# Altium PCB TI82_matlab.PcbDoc
Units mm, origin at the board's own origin, x right, y up, seen from the top; angles counter-clockwise.
Board outline 72 x 113.2 mm, 2 copper layers (Top Layer, Bottom Layer); 96 components, 67 nets, 297 pads, 63 vias.
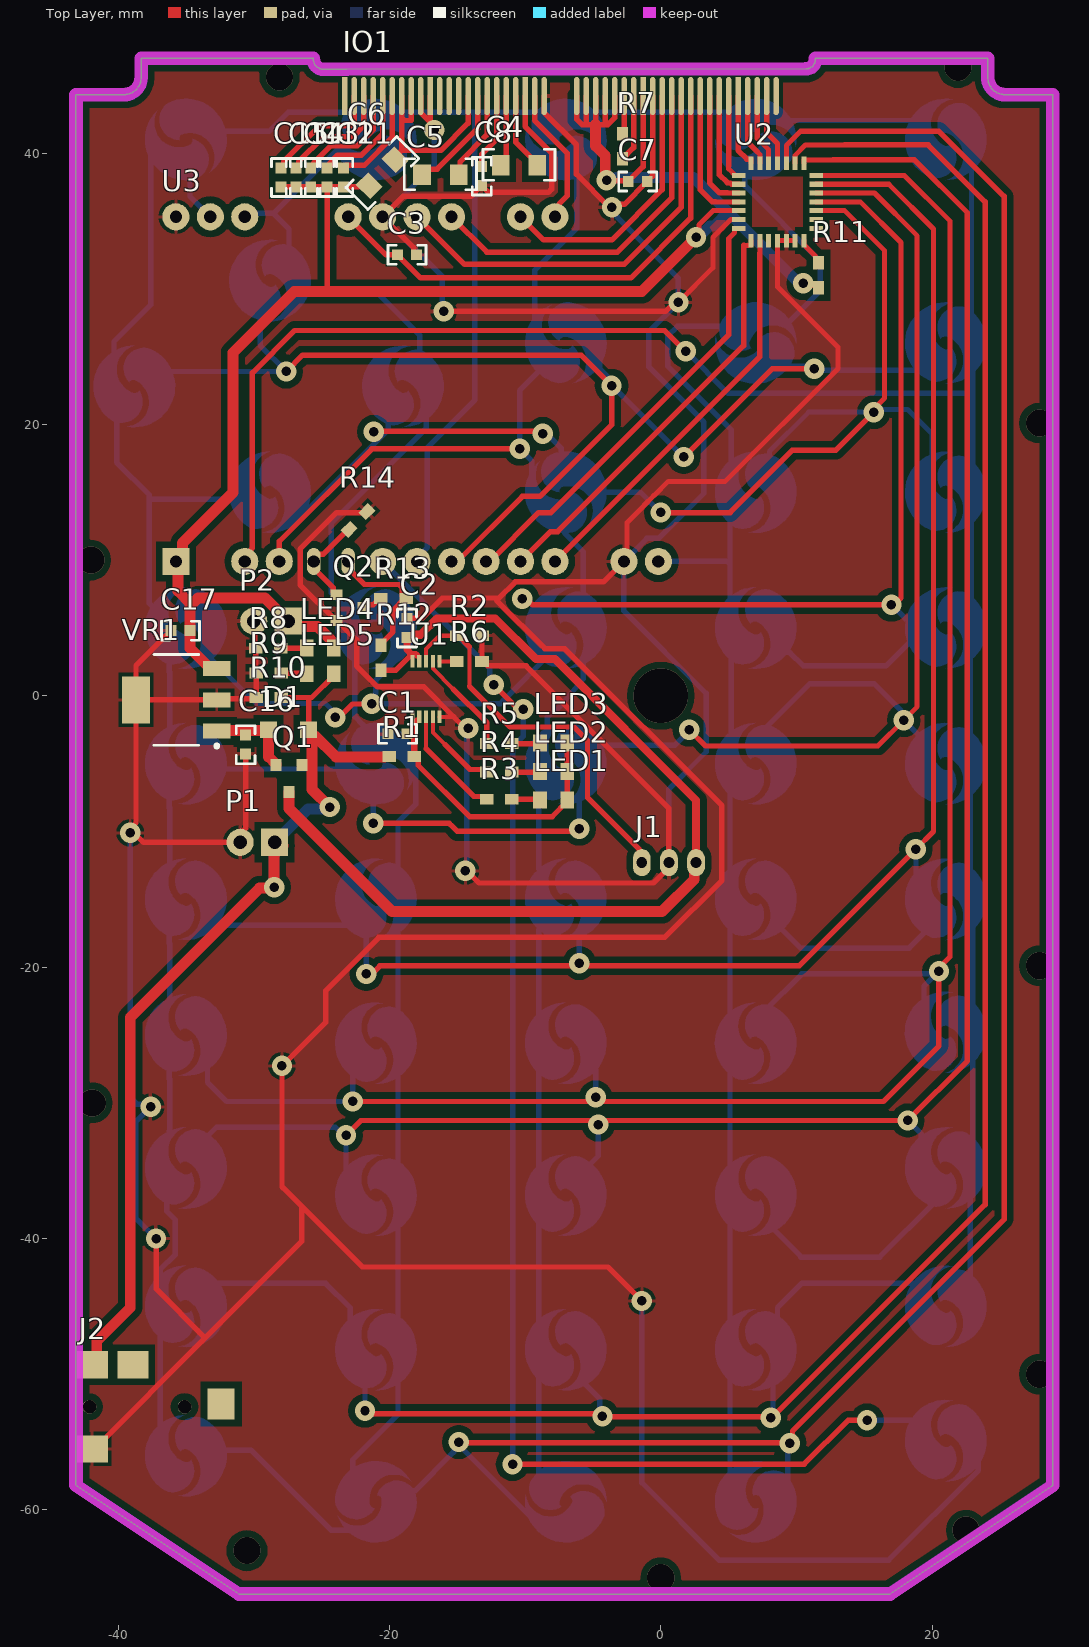
[diagram p0: Top Layer view]
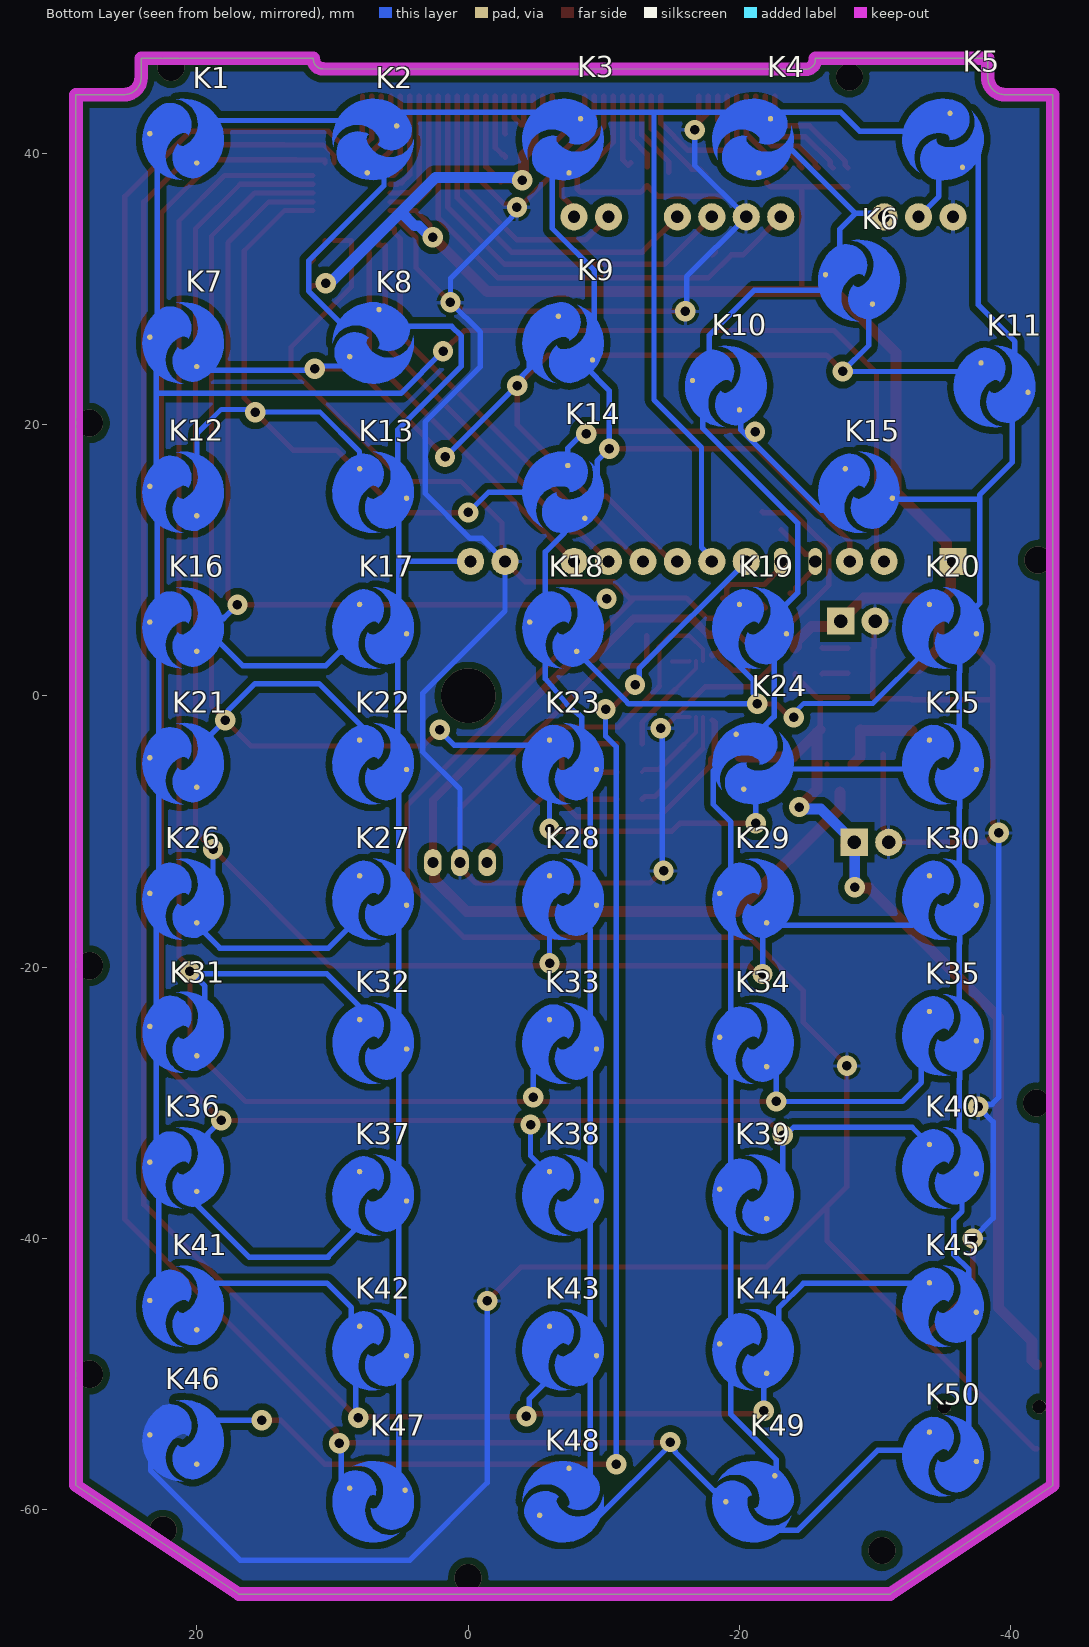
[diagram p1: Bottom Layer view, seen from below]
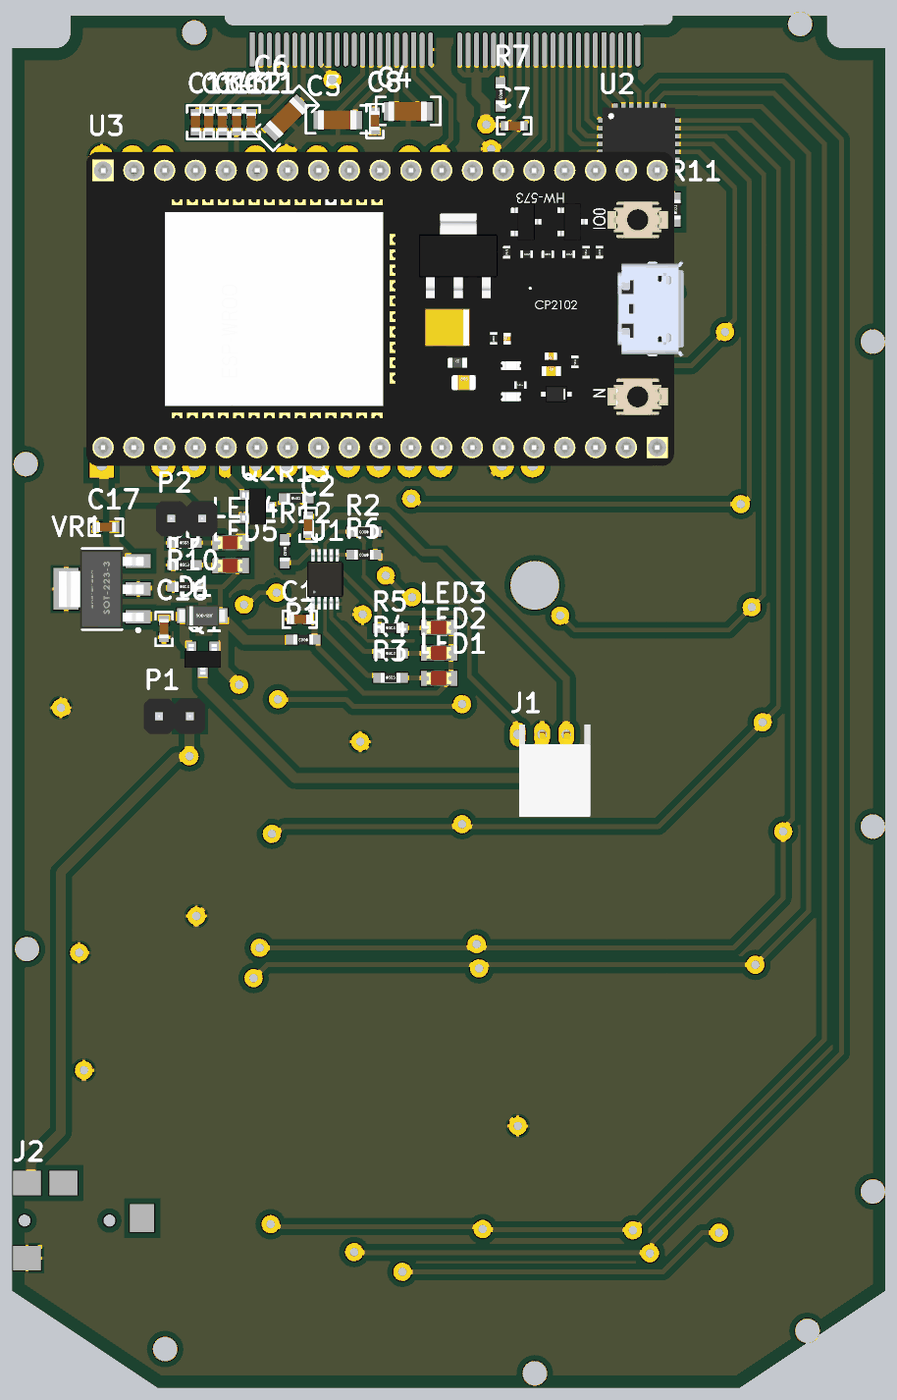
[diagram p2: 3D render of the assembled board from above, using the file's embedded part models]

## Layer stack, top to bottom
Top Solder: solder mask 0.0102, Solder Resist, Dk 3.5
Top Layer: signal copper 0.0356
Dielectric 1: dielectric 0.32, FR-4, Dk 4.8
Bottom Layer: signal copper 0.0356
Bottom Solder: solder mask 0.0102, Solder Resist, Dk 3.5

## Board outline
-43.1,44.3 -39.57,44.3 ccw(c-39.57,45.57) -38.3,45.57 -38.3,47 -25.6,47 -25.6,46.899 ccw(c-24.878,46.899) -24.878,46.177 -23.1,46.175 10.7,46.2 ccw(c10.7,46.9) 11.4,46.9 11.4,47 24.1,47 24.1,45.57 ccw(c25.37,45.57) 25.37,44.3 28.9,44.3 28.9,-58.2 16.9,-66.2 -31.1,-66.2 -43.1,-58.2

## Design rules (kind name [scope] priority, off if disabled: settings)
Clearance Clearance_mcp [WithinRoom('mcp_room')] p1: gap=0.3 ignorepadtopadclearanceinfootprint=FALSE except(0.15: Arc-Arc Arc-Track Arc-SMDPad Track-Track Track-SMDPad SMDPad-SMDPad)
Clearance Clearence_display [WithinRoom('pad_room')] p2: gap=0.3 ignorepadtopadclearanceinfootprint=FALSE except(0: Arc-Arc Arc-Track Arc-SMDPad Track-Track Track-SMDPad)
Clearance [All] p3: gap=0.3 ignorepadtopadclearanceinfootprint=FALSE except(0.2: Arc-SMDPad Track-SMDPad SMDPad-SMDPad; 0.28: Arc-Arc Arc-Track Track-Track; 0.5: Arc-Fill Arc-Poly Arc-Region Track-Fill Track-Poly Track-Region SMDPad-Fill SMDPad-Poly SMDPad-Region THPad-Fill THPad-Poly THPad-Region Via-Fill Via-Poly Via-Region Fill-Fill Fill-Poly Fill-Region Poly-Poly Poly-Region Region-Region)
ComponentClearance [All] p1 off: gap=0.254 collisioncheckmode=3 verticalgap=0.254 showdistances=FALSE
DiffPairsRouting [All] p1: maxlimit=0.3 minlimit=0.3 mostfreqgap=0.3 toplayer_minwidth=0.4 toplayer_maxwidth=0.4 toplayer_prefwidth=0.4 bottomlayer_minwidth=0.4 bottomlayer_maxwidth=0.4 bottomlayer_prefwidth=0.4 maxuncoupledlength=12.7
HoleSize [All] p1: absolutevalues=TRUE maxlimit=4 minlimit=0.025 maxpercent=80.000 minpercent=20.000
MinimumSolderMaskSliver [All] p1 off: minsoldermaskwidth=0.254
PolygonConnect [All] p1: connectstyle=Relief reliefconductorwidth=0.254 reliefentries=4 polygonreliefangle="90 Angle" airgapwidth=0.254
RoomDefinition mcp_room [False vs False] p1: confinementstyle=ConfineIn formatcopy=TRUE lockcomponents=FALSE outline -15.3,-3.6 -19.4,-3.6 -19.4,3.5 -15.3,3.5
RoomDefinition pad_room [False] p2: confinementstyle=ConfineIn formatcopy=TRUE lockcomponents=FALSE outline -24.3,43 -24.3,46 10,46 10,43
RoutingVias [All] p1: holewidth=0.7 width=1.5 viastyle="Through Hole" minholewidth=0.7 minwidth=1.5 maxholewidth=4 maxwidth=4
SilkToSilkClearance [All] p1 off: silktosilkclearance=0.254
SilkToSolderMaskClearance [IsPad] p1 off: minsilkscreentomaskgap=0.254 clearancetoexposedcopper=TRUE
SolderMaskExpansion [All] p1: expansion=0.102 istentingtop=FALSE
Width [All] p1: maxlimit=1 minlimit=0.3 preferedwidth=0.5
24 further rules are at their usual default settings.

## Classes and differential pairs
net class DB[0..7]: DB0 DB1 DB2 DB3 DB4 DB5 DB6 DB7

## Components (designator, comment, footprint, x,y, rotation, side; value= is the part's Value field where it differs from the comment)
C1 "0603, capacitor" "0603 cap" -19.4,-2.8 r180 top value=1uF
C2 "0603, capacitor" "0603 cap" -18.7,5 r90 top value=1uF
C3 "0603, capacitor" "0603 cap" -18.7,32.5 r0 top value=0.2nF
C4 "Cap, bipolar" "CAP 1206 BIPOLAR" -10.5,39.1 r0 top
C5 "Cap, bipolar" "CAP 1206 BIPOLAR" -16.3,38.4 r0 top
C6 "Cap, bipolar" "CAP 1206 BIPOLAR" -20.51,38.59 r225 top
C7 "0603, capacitor" "0603 cap" -1.7,37.9 r180 top value=2.2uF
C8 "0603, capacitor" "0603 cap" -13.2,38.3 r270 top value=10nF
C11 "0603, capacitor" "0603 cap" -23.4,38.2 r270 top value=0.1uF
C12 "0603, capacitor" "0603 cap" -24.6,38.2 r270 top value=0.1uF
C13 "0603, capacitor" "0603 cap" -25.8,38.2 r270 top value=0.1uF
C14 "0603, capacitor" "0603 cap" -26.9,38.2 r270 top value=0.1uF
C15 "0603, capacitor" "0603 cap" -28,38.2 r270 top value=0.1uF
C16 "0603, capacitor" "0603 cap" -30.6,-3.6 r270 top value=10uF
C17 "0603, capacitor" "0603 cap" -35.4,4.802 r180 top value=10uF
D1 "MBR120" SOD-123 -27.4,-2.5 r0 top value="Schottky Diod"
IO1 "Display IO*" "Display IO 44" -23.3,44.2 r0 top
J1 "Male JST (2mm)" "3P JST Male connector" 0.6,-12.3 r270 top
J2 "Headphone Jack 4-poles" "Headphone Jack 4-poles" -43.6,-52.4 r0 top
K1 "Button Pad" "BUTTON PAD 2" 21,41 r0 bottom
K2 "Button Pad" "BUTTON PAD 2" 7,41 r270 bottom
K3 "Button Pad" "BUTTON PAD 2" -7,41 r250 bottom
K4 "Button Pad" "BUTTON PAD 2" -21,41 r250 bottom
K5 "Button Pad" "BUTTON PAD 2" -35,41 r225 bottom
K6 "Button Pad" "BUTTON PAD 2" -28.8,30.6 r0 bottom
K7 "Button Pad" "BUTTON PAD 2" 21,26 r0 bottom
K8 "Button Pad" "BUTTON PAD 2" 7,26 r90 bottom
K9 "Button Pad" "BUTTON PAD 2" -7,26 r200 bottom
K10 "Button Pad" "BUTTON PAD 2" -19,22.8 r0 bottom
K11 "Button Pad" "BUTTON PAD 2" -38.8,22.8 r180 bottom
K12 "Button Pad" "BUTTON PAD 2" 21,15 r0 bottom
K13 "Button Pad" "BUTTON PAD 2" 7,15 r180 bottom
K14 "Button Pad" "BUTTON PAD 2" -7,15 r220 bottom
K15 "Button Pad" "BUTTON PAD 2" -28.806,15 r180 bottom
K16 "Button Pad" "BUTTON PAD 2" 21,5 r0 bottom
K17 "Button Pad" "BUTTON PAD 2" 7,5 r180 bottom
K18 "Button Pad" "BUTTON PAD 2" -7,5 r0 bottom
K19 "Button Pad" "BUTTON PAD 2" -21,5 r180 bottom
K20 "Button Pad" "BUTTON PAD 2" -35,5 r180 bottom
K21 "Button Pad" "BUTTON PAD 2" 21,-5 r0 bottom
K22 "Button Pad" "BUTTON PAD 2" 7,-5 r180 bottom
K23 "Button Pad" "BUTTON PAD 2" -7,-5 r180 bottom
K24 "Button Pad" "BUTTON PAD 2" -21,-5 r50 bottom
K25 "Button Pad" "BUTTON PAD 2" -35,-5 r180 bottom
K26 "Button Pad" "BUTTON PAD 2" 21,-15 r0 bottom
K27 "Button Pad" "BUTTON PAD 2" 7,-15 r180 bottom
K28 "Button Pad" "BUTTON PAD 2" -7,-15 r180 bottom
K29 "Button Pad" "BUTTON PAD 2" -21,-15 r0 bottom
K30 "Button Pad" "BUTTON PAD 2" -35,-15 r180 bottom
K31 "Button Pad" "BUTTON PAD 2" 20.994,-24.8 r0 bottom
K32 "Button Pad" "BUTTON PAD 2" 6.994,-25.6 r180 bottom
K33 "Button Pad" "BUTTON PAD 2" -7,-25.6 r180 bottom
K34 "Button Pad" "BUTTON PAD 2" -21,-25.6 r0 bottom
K35 "Button Pad" "BUTTON PAD 2" -35,-25 r180 bottom
K36 "Button Pad" "BUTTON PAD 2" 21,-34.8 r0 bottom
K37 "Button Pad" "BUTTON PAD 2" 7,-36.8 r180 bottom
K38 "Button Pad" "BUTTON PAD 2" -7,-36.8 r180 bottom
K39 "Button Pad" "BUTTON PAD 2" -21,-36.8 r0 bottom
K40 "Button Pad" "BUTTON PAD 2" -35,-34.8 r180 bottom
K41 "Button Pad" "BUTTON PAD 2" 21,-45 r0 bottom
K42 "Button Pad" "BUTTON PAD 2" 7,-48.2 r180 bottom
K43 "Button Pad" "BUTTON PAD 2" -7,-48.2 r180 bottom
K44 "Button Pad" "BUTTON PAD 2" -21,-48.2 r0 bottom
K45 "Button Pad" "BUTTON PAD 2" -35,-45 r180 bottom
K46 "Button Pad" "BUTTON PAD 2" 21,-54.9 r0 bottom
K47 "Button Pad" "BUTTON PAD 2" 6.994,-59.4 r150 bottom
K48 "Button Pad" "BUTTON PAD 2" -7,-59.4 r90 bottom
K49 "Button Pad" "BUTTON PAD 2" -21,-59.4 r120 bottom
K50 "Button Pad" "BUTTON PAD 2" -35,-56 r180 bottom
LED1 "0805, LED" 0805_led -7.9,-7.7 r0 top value="0805 LED"
LED2 "0805, LED" 0805_led -7.9,-5.6 r0 top value="0805 LED"
LED3 "0805, LED" 0805_led -7.9,-3.5 r0 top value="0805 LED"
LED4 "0805, LED" 0805_led -25.1,3.5 r0 top value="0805 LED"
LED5 "0805, LED" 0805_led -25.1,1.6 r0 top value="0805 LED"
P1 "1x2 Pin Header" padtwo_L -28.46,-10.8 r270 top
P2 "1x2 Pin Header" padtwo_L -27.46,5.5 r270 top
Q1 "DMG3415U" SOT23 -27.4,-6.1 r180 top value="pMOSFET Enhancement"
Q2 "BSS138" SOT23 -22.9,6.5 r270 top
R1 "0603, resistor" 0603 -19.1,-4.5 r180 top value=0R
R2 "0603, resistor" 0603 -14.1,4.4 r180 top value=10k
R3 "0603, resistor" 0603 -11.9,-7.6 r0 top value=20k
R4 "0603, resistor" 0603 -11.9,-5.6 r0 top value=20k
R5 "0603, resistor" 0603 -11.9,-3.5 r0 top value=20k
R6 "0603, resistor" 0603 -14.1,2.5 r180 top value=2k7
R7 "0603, resistor" 0603 -2.8,40.5 r270 top value=70k
R8 "0603, resistor" 0603 -28.925,3.525 r0 top value=20k
R9 "0603, resistor" 0603 -28.9,1.7 r0 top value=20k
R10 "0603, resistor" 0603 -28.9,-0.1 r0 top value=100k
R11 "0603, resistor" 0603 11.6,31 r90 top value=1k?
R12 "0603, resistor" 0603 -20.6,2.8 r270 top value=1k?
R13 "0603, resistor" 0603 -19.7,7.2 r0 top value=1k?
R14 "0603, resistor" 0603 -22.3,12.9 r225 top value=10k
U1 "MCP73833/4" MSOP-10 -17.3,0.5 r90 top value="Battery Charger"
U2 "MCP23S17-ML" "QFN28 0.65 Pitch" 8.6,36.4 r0 top
U3 "ESP32_DevKitC_V4" "CUSTOM_ESP32_DevKitC_V4 - duplicate" -15.52,22.5 r90 top
VR1 "3.3V Reg" SOT223 -35.7,-0.3 r180 top

## Footprints (in the part's own frame and the unit in brackets; to place one, negate y for a bottom-side part, rotate by r counter-clockwise, add the part's x,y. Pads: shape width x height; smd on the part's side, far side on the other; paste and mask are expansions set on the pad)
"3P JST Male connector" [mm] "PCB HEADER (RIGHT ANGLE)"
  oval 2x1.3 hole 0.8: 1(0,2) 2(0,0) 3(0,-2)
  body extent -0.8,-1.9 6.8,4, height 4.9
0603 [mm]
  rect 1x0.8 smd: 0(0.925,-0.025) 1(-0.925,-0.025)
  body extent -0.8,-0.43 0.8,0.39, height 0.45
"0603 cap" [mm]
  rect 0.8x0.8 smd: 0(0.7,0.002) 1(-0.7,0.002)
  silkscreen extent -1.4,-0.69 1.4,0.7, body extent -0.83,-0.4 0.77,0.4, height 0.6
0805_led [mm]
  rect 1x1.25 smd: 0(-1,0.025) 1(1,0.025)
  body extent -1.03,-0.6 0.99,0.65, height 1.1
"BUTTON PAD 2" [mm]
  round 0.4 smd: 1(2.462,-0.434) 2(-1,1.732)
  Top Layer region: 1.5,-2.598 0.743,-2.672 0.04,-2.382 -0.445,-1.796 -0.597,-1.051 -0.383,-0.321 -0.383,-0.321 -0.211,-0.453 0,-0.5 0,-0.5 0.793,-0.02 1.248,0.787 1.248,1.713 0.793,2.52 0,3 0,3 1.148,2.772 2.121,2.121 2.772,1.148 3,0 3,0 2.598,-1.5 1.5,-2.598
  Top Layer region: 0.521,-2.954 -0.944,-2.848 -2.182,-2.059 -2.898,-0.776 -2.919,0.692 -2.241,1.994 -1.026,2.819 -1.026,2.819 -0.276,2.782 0.362,2.387 0.731,1.733 0.739,0.982 0.383,0.321 0.383,0.321 0.211,0.453 0,0.5 0,0.5 -0.637,0.041 -1.019,-0.645 -1.073,-1.428 -0.79,-2.161 -0.223,-2.704 0.521,-2.954
"CAP 1206 BIPOLAR" [mm]
  rect 1.3x1.5 smd: 0(-1.3,0) 1(1.4,0)
  silkscreen extent -2.6,-1.11 2.71,1.19, body extent -1.6,-0.8 1.6,0.8
"CUSTOM_ESP32_DevKitC_V4 - duplicate" [mm]
  rect 2x2 hole 0.9: 1(-12.6,20.22)
  round 2 hole 0.9: 3(-12.6,15.14) 4(-12.6,12.6) 7(-12.6,4.98) 8(-12.6,2.44) 9(-12.6,-0.1) 10(-12.6,-2.64) 11(-12.6,-5.18) 12(-12.6,-7.72) 14(-12.6,-12.8) 15(-12.6,-15.34) 27(12.8,-7.72) 28(12.8,-5.18) 30(12.8,-0.1) 31(12.8,2.44) 32(12.8,4.98) 33(12.8,7.52) 36(12.8,15.14) 37(12.8,17.68) 38(12.8,20.22)
  oval 2x1 hole 0.9: 5(-12.6,10.06) 6(-12.6,7.52)
  body extent -12.65,-27.81 13.25,21.5, height 7.6
"Display IO 44" [mm]
  rect 0.4x2.8 smd: 1(0,0) 10(6.3,0) 20(13.3,0) 30(22,0) 40(29,0)
  oval 0.4x2.8 smd: 2(0.7,0) 3(1.4,0) 4(2.1,0) 5(2.8,0) 6(3.5,0) 7(4.2,0) 8(4.9,0) 9(5.6,0) 11(7,0) 12(7.7,0) 13(8.4,0) 14(9.1,0) 15(9.8,0) 16(10.5,0) 17(11.2,0) 18(11.9,0) 19(12.6,0) 21(14,0) 22(14.7,0) 23(17.1,0) 24(17.8,0) 25(18.5,0) 26(19.2,0) 27(19.9,0) 28(20.6,0) 29(21.3,0) 31(22.7,0) 32(23.4,0) 33(24.1,0) 34(24.8,0) 35(25.5,0) 36(26.2,0) 37(26.9,0) 38(27.6,0) 39(28.3,0) 41(29.7,0) 42(30.4,0) 43(31.1,0) 44(31.8,0)
"Headphone Jack 4-poles" [mm]
  rect 2.3x2 smd: 1(1.7,3.1) 3(4.7,3.1) 4(1.7,-3.1)
  rect 2x2.3 smd: 2(11.2,0.2)
  round 1 hole 1 unplated: *(1.5,0) *(8.5,0)
MSOP-10 [mm]
  rect 0.9x0.3 smd mask+0.01: 1(-2.05,1) 2(-2.05,0.5) 3(-2.05,0) 4(-2.05,-0.5) 5(-2.05,-1) 6(2.05,-1) 7(2.05,-0.5) 8(2.05,0) 9(2.05,0.5) 10(2.05,1)
  body extent -2.45,-1.5 2.45,1.5, height 1.15
padtwo_L [mm] "Pad Diameter 2 mm, Hole  0.3 mm, Pitch 2.54 mm"
  rect 2x2 hole 1: 1(0,0)
  round 2 hole 1: 2(0,-2.54)
  body extent -1.46,-3.81 1.46,1.27, height 8.51
"QFN28 0.65 Pitch" [mm]
  rect 1x0.37 smd: 1(-2.85,1.95) 2(-2.85,1.3) 3(-2.85,0.65) 4(-2.85,0) 5(-2.85,-0.65) 6(-2.85,-1.3) 7(-2.85,-1.95) 15(2.85,-1.95) 16(2.85,-1.3) 17(2.85,-0.65) 18(2.85,0) 19(2.85,0.65) 20(2.85,1.3) 21(2.85,1.95)
  rect 0.37x1 smd: 8(-1.95,-2.85) 9(-1.3,-2.85) 10(-0.65,-2.85) 11(0,-2.85) 12(0.65,-2.85) 13(1.3,-2.85) 14(1.95,-2.85) 22(1.95,2.85) 23(1.3,2.85) 24(0.65,2.85) 25(0,2.85) 26(-0.65,2.85) 27(-1.3,2.85) 28(-1.95,2.85)
  body extent -3.01,-3.01 3.01,3.01, height 1
SOD-123 [mm]
  rect 1.25x1.22 smd: 1(-1.5,0) 2(1.45,0)
  body extent -1.95,-0.92 1.85,0.88, height 1.02
SOT23 [mm]
  rect 0.8x0.9 smd: 1(-0.95,-1) 2(0.95,-1) 3(0,1)
  body extent -1.5,-1.25 1.5,1.25, height 1.1
SOT223 [mm] "SOT223, 4-Leads, Body 6,50x7,10mm (avg), Pitch 2,30mm, IPC Medium Density"
  rect 2.05x1.1 smd: 1(-2.975,2.3) 2(-2.975,0) 3(-2.975,-2.3)
  rect 2.05x3.45 smd: 4(2.975,0)
  silkscreen extent -3.1,-3.35 1.65,3.52, body extent -3.42,-3.22 3.58,3.28, height 1.7

## Part data
D1: "Schottky Power Rectifier", Mouser=863-MBR120ESFT1G
IO1: library part "Desplay IO 22", "Display Pins for TI-82 STATS"
J1: library part "PCB HEADER 3P", "Battery connector"
P1 P2: "2.54 mm, TH"
Q1: "P-CHANNEL ENHANCEMENT MODE MOSFET", Mouser=621-DMG3415U-7
U1: "Stand-Alone Linear Li-Ion / Li-Polymer Charge / Management Controller", Mouser=579-MCP73833T-FCI/UN
VR1: library part MCP1826S
C4 C5 C6: Parameter 1="2.2uF 20V"

## Via types
v1: diameter 1.5, hole 0.7, Top Layer to Bottom Layer, 52 vias
v2: diameter 2, hole 2, Top Layer to Bottom Layer, 10 vias
v3: diameter 4, hole 4, Top Layer to Bottom Layer, 1 vias
